# KiCad board Phoenix_Project_No1-TypeS.kicad_pcb (continued)
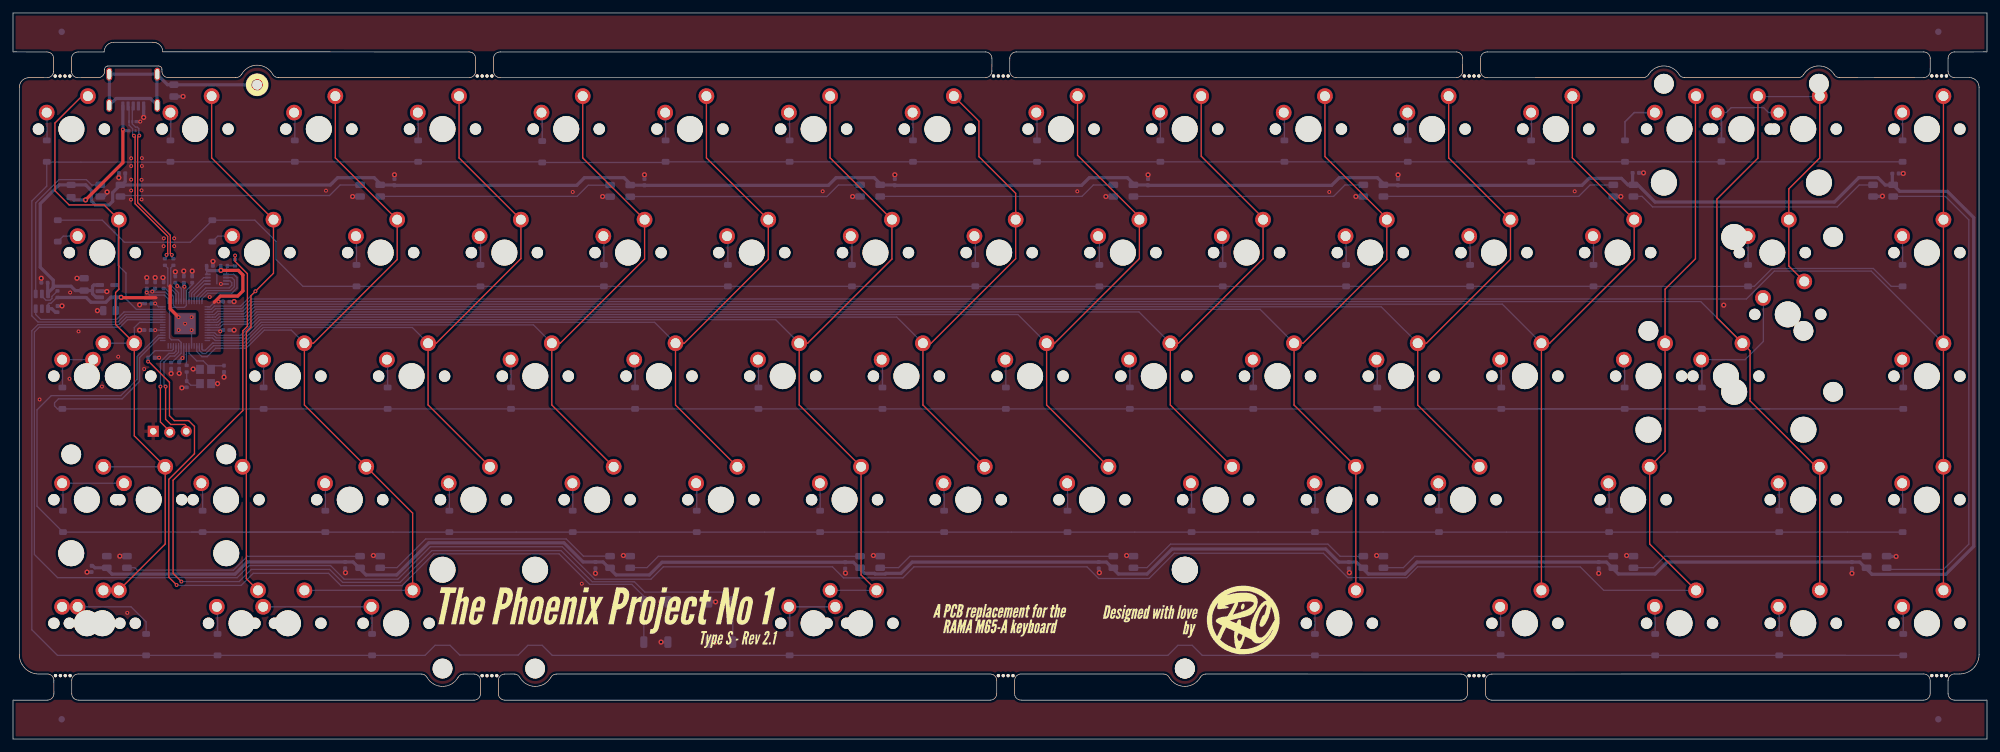
[diagram p0: board, top side]
## Nets
+1V1: C10.1 C11.1 C12.1 U3.23 U3.45 U3.50
+3V3: C1.1 C2.1 C3.1 C4.1 C5.1 C6.1 C8.1 C9.1 C13.1 C14.1 C17.1 C19.1 R4.2 R5.2 R7.1 U1.5 U3.1 U3.10 U3.22 U3.33 U3.42 U3.43 U3.44 U3.48 U3.49 U4.8 U5.1
+5V: C7.1 C18.1 C20.2 C21.2 C22.2 C23.2 C24.2 C25.2 C26.2 C27.2 C28.2 C29.2 C30.2 C31.2 C32.2 C33.2 C34.2 C35.2 D1.1 D2.1 D3.1 D4.1 D5.1 D6.1 D7.1 D8.1 D9.1 D10.1 D11.1 D12.1 D13.1 D14.1 D15.1 D16.1 F1.2 U1.1 U1.3 U5.6
/VBUS: F1.1 J1.1 U2.5
GND: C1.2 C2.2 C3.2 C4.2 C5.2 C6.2 C7.2 C8.2 C9.2 C10.2 C11.2 C12.2 C13.2 C14.2 C15.1 C16.1 C17.2 C18.2 C19.2 C20.1 C21.1 C22.1 C23.1 C24.1 C25.1 C26.1 C27.1 C28.1 C29.1 C30.1 C31.1 C32.1 C33.1 C34.1 C35.1 D1.3 D2.3 D3.3 D4.3 D5.3 D6.3 D7.3 D8.3 D9.3 D10.3 D11.3 D12.3 D13.3 D14.3 D15.3 D16.3 FB1.1 J1.5 J2.1 SW1.2 SW2.2 U1.2 U2.3 U3.19 U3.57 U4.4 Y1.2 Y1.4
GNDPWR: FB1.2 J1.6 J3.1
/D+: J1.3 R3.1 U2.2
/D-: J1.2 R2.1 U2.1
/QSPI_SD0: U3.53 U4.5
/QSPI_SD1: U3.55 U4.2
/QSPI_SD2: U3.54 U4.3
/QSPI_SD3: U3.51 U4.7
/QSPI_SS: R5.1 R6.2 U3.56 U4.1
/RUN: R4.1 SW2.1 U3.26
/SWCLK: J2.3 U3.24
/SWIO: J2.2 U3.25
/USB_BOOT: R6.1 SW1.1
/XIN: C15.2 U3.20 Y1.1
/XOUT: R1.2 U3.21
/~{QSPI_SCLK}: U3.52 U4.6
COL0: SW3.2 SW4.2 SW5.2 SW6.2 SW7.2 SW8.2 SW9.2 SW79.2 U3.36
COL1: SW10.2 SW11.2 SW12.2 SW78.2 U3.2
COL2: SW13.2 SW14.2 SW15.2 SW16.2 SW17.2 SW18.2 U3.17
COL3: SW19.2 SW20.2 SW21.2 SW22.2 U3.16
COL4: SW23.2 SW24.2 SW25.2 SW26.2 U3.15
COL5: SW27.2 SW28.2 SW29.2 SW30.2 U3.13
COL6: SW31.2 SW32.2 SW33.2 SW34.2 SW35.2 SW36.2 U3.12
COL7: SW37.2 SW38.2 SW39.2 SW40.2 U3.11
COL8: SW41.2 SW42.2 SW43.2 SW44.2 U3.9
COL9: SW45.2 SW46.2 SW47.2 SW48.2 U3.8
COL10: SW49.2 SW50.2 SW51.2 SW52.2 SW53.2 U3.7
COL11: SW54.2 SW55.2 SW56.2 SW57.2 U3.6
COL12: SW58.2 SW59.2 SW60.2 SW62.2 U3.5
COL13: SW61.2 SW63.2 SW64.2 SW77.2 U3.37
COL14: SW65.2 SW66.2 SW67.2 SW68.2 SW69.2 SW70.2 SW76.2 U3.4
COL15: SW71.2 SW72.2 SW73.2 SW74.2 SW75.2 U3.3
RGB_IN: U3.40 U5.3
RGB_OUT: D1.4 U5.4
ROW0: D17.1 D22.1 D25.1 D30.1 D34.1 D38.1 D42.1 D47.1 D51.1 D55.1 D59.1 D64.1 D68.1 D73.1 D75.1 D80.1 U3.39
ROW1: D18.1 D23.1 D26.1 D31.1 D35.1 D39.1 D43.1 D48.1 D52.1 D56.1 D60.1 D65.1 D69.1 D76.1 D81.1 U3.41
ROW2: D19.1 D27.1 D32.1 D36.1 D40.1 D44.1 D49.1 D53.1 D57.1 D61.1 D66.1 D70.1 D77.1 D82.1 D85.1 U3.30
ROW3: D20.1 D28.1 D33.1 D37.1 D41.1 D45.1 D50.1 D54.1 D58.1 D62.1 D67.1 D71.1 D78.1 D83.1 D86.1 U3.31
ROW4: D21.1 D24.1 D29.1 D46.1 D63.1 D72.1 D74.1 D79.1 D84.1 U3.38
Net-(C16-Pad2): C16.2 R1.1 Y1.3
Net-(D1-Pad2): D1.2 D2.4
Net-(D2-Pad2): D2.2 D3.4
Net-(D3-Pad2): D3.2 D4.4
Net-(D4-Pad2): D4.2 D5.4
Net-(D5-Pad2): D5.2 D6.4
Net-(D6-Pad2): D6.2 D7.4
Net-(D7-Pad2): D7.2 D8.4
Net-(D8-Pad2): D8.2 D9.4
Net-(D10-Pad2): D10.2 D11.4
Net-(D10-Pad4): D9.2 D10.4
Net-(D11-Pad2): D11.2 D12.4
Net-(D12-Pad2): D12.2 D13.4
Net-(D13-Pad2): D13.2 D14.4
Net-(D14-Pad2): D14.2 D15.4
Net-(D15-Pad2): D15.2 D16.4
Net-(D17-Pad2): D17.2 SW3.1
Net-(D18-Pad2): D18.2 SW4.1
Net-(D19-Pad2): D19.2 SW5.1 SW8.1
Net-(D20-Pad2): D20.2 SW6.1 SW79.1
Net-(D21-Pad2): D21.2 SW7.1 SW9.1
Net-(D22-Pad2): D22.2 SW10.1
Net-(D23-Pad2): D23.2 SW11.1
Net-(D24-Pad2): D24.2 SW12.1
Net-(D25-Pad2): D25.2 SW13.1
Net-(D26-Pad2): D26.2 SW14.1
Net-(D27-Pad2): D27.2 SW15.1
Net-(D28-Pad2): D28.2 SW16.1
Net-(D29-Pad2): D29.2 SW17.1 SW18.1
Net-(D30-Pad2): D30.2 SW19.1
Net-(D31-Pad2): D31.2 SW20.1
Net-(D32-Pad2): D32.2 SW21.1
Net-(D33-Pad2): D33.2 SW22.1
Net-(D34-Pad2): D34.2 SW23.1
Net-(D35-Pad2): D35.2 SW24.1
Net-(D36-Pad2): D36.2 SW25.1
Net-(D37-Pad2): D37.2 SW26.1
Net-(D38-Pad2): D38.2 SW27.1
Net-(D39-Pad2): D39.2 SW28.1
Net-(D40-Pad2): D40.2 SW29.1
Net-(D41-Pad2): D41.2 SW30.1
Net-(D42-Pad2): D42.2 SW31.1
Net-(D43-Pad2): D43.2 SW32.1
Net-(D44-Pad2): D44.2 SW33.1
Net-(D45-Pad2): D45.2 SW34.1
Net-(D46-Pad2): D46.2 SW35.1 SW36.1
Net-(D47-Pad2): D47.2 SW37.1
Net-(D48-Pad2): D48.2 SW38.1
Net-(D49-Pad2): D49.2 SW39.1
Net-(D50-Pad2): D50.2 SW40.1
Net-(D51-Pad2): D51.2 SW41.1
Net-(D52-Pad2): D52.2 SW42.1
Net-(D53-Pad2): D53.2 SW43.1
Net-(D54-Pad2): D54.2 SW44.1
Net-(D55-Pad2): D55.2 SW45.1
Net-(D56-Pad2): D56.2 SW46.1
Net-(D57-Pad2): D57.2 SW47.1
Net-(D58-Pad2): D58.2 SW48.1
Net-(D59-Pad2): D59.2 SW49.1
Net-(D60-Pad2): D60.2 SW50.1
Net-(D61-Pad2): D61.2 SW51.1
Net-(D62-Pad2): D62.2 SW52.1
Net-(D63-Pad2): D63.2 SW53.1
Net-(D64-Pad2): D64.2 SW54.1
Net-(D65-Pad2): D65.2 SW55.1
Net-(D66-Pad2): D66.2 SW56.1
Net-(D67-Pad2): D67.2 SW57.1
Net-(D68-Pad2): D68.2 SW58.1
Net-(D69-Pad2): D69.2 SW59.1
Net-(D70-Pad2): D70.2 SW60.1
Net-(D71-Pad2): D71.2 SW61.1
Net-(D72-Pad2): D72.2 SW62.1
Net-(D73-Pad2): D73.2 SW63.1
Net-(D74-Pad2): D74.2 SW64.1
Net-(D75-Pad2): D75.2 SW65.1 SW70.1
Net-(D76-Pad2): D76.2 SW66.1
Net-(D77-Pad2): D77.2 SW67.1 SW76.1
Net-(D78-Pad2): D78.2 SW68.1
Net-(D79-Pad2): D79.2 SW69.1
Net-(D80-Pad2): D80.2 SW71.1
Net-(D81-Pad2): D81.2 SW72.1
Net-(D82-Pad2): D82.2 SW73.1
Net-(D83-Pad2): D83.2 SW74.1
Net-(D84-Pad2): D84.2 SW75.1
Net-(D85-Pad2): D85.2 SW77.1
Net-(D86-Pad2): D86.2 SW78.1
Net-(R2-Pad2): R2.2 U3.46
Net-(R3-Pad2): R3.2 U3.47
Net-(R7-Pad2): R7.2 U5.5

Pads without a net: D16 2; J1 4; U1 4; U2 4; U3 14 18 27 28 29 32 34 35; U4 9; U5 2

## Via types
v1: diameter 0.6, hole 0.3, Top to Bottom, 59 vias
v2: diameter 0.8, hole 0.4, Top to Bottom, 64 vias

## Routing (per net, layer and track width the routed paths; a pad name or vN(x,y) marks a point on that pad's centre or on a via; arc(x,y) is an arc through that point)
+1V1: length 21.1
  Bottom w0.2: 25,66.55 26.4,66.55 26.7,66.85 U3.50 26.7,69.15 27.6,70.05 C12.1 ; 25,66.55 24.4,66.55 24.1,66.25 24.1,61.85 24.4,61.55 25.49,61.55 25.9,61.14 U3.23 25.9,59.48 24.48,58.06 C11.1 ; 25,66.55 24.7,66.85 U3.45 24.7,68.25 23.48,69.47 C10.1 ; C11.1 24.51,58.06 ; C11.1 24.43,58.06
+3V3: length 66.6
  Top w0.5: 31,67.35 31.95,68.3 34.6,68.3 35.4,69.1 35.4,71.55 34.69,72.26 v2(32.02,72.26) ; v2(16.65,68.1) 16.7,68.05 22,68.05
  Bottom w0.2: v1(21.45,69) 21.56,68.89 23.46,68.89 24.3,68.05 U3.44 ; U5.1 5.4,67.04 5.55,67.19 5.85,67.19 6.74,68.08 R7.1 ; v1(25.3,69.85) 25,70.15 C13.1 25.92,69.45 25.92,67.51 U3.48 ; v1(21.9,63.05) U3.33 ; U3.42 22.4,66.65 v1(21.9,67.15) ; U3.49 26.3,69.65 v1(26.4,69.75) ; U4.8 29.82,71.83 29.82,72.43 ; v1(31.65,67.45) 31.14,67.45 30.34,66.65 U3.1 ; U3.10 31.73,63.05 v1(31.92,62.86) ; v1(26.1,58.75) 26.3,58.95 U3.22 ; v1(20.6,68.85) 21,68.45 23.3,68.45 23.9,67.85 U3.43
  Bottom w0.5: U1.5 v2(16.65,68.1) ; U1.5 15.05,68.1 14.3,67.35 12,67.35 11.27,68.08 R7.1 ; U1.5 15.8,67.94 C8.1 ; R5.2 31.99,72.29 v2(32.02,72.26) 31.97,72.22 30.03,72.22 29.82,72.43 C17.1 ; C4.1 v1(31.65,67.45) ; 25.6,58.15 C3.1 25.6,58.25 v1(26.1,58.75) ; C6.1 26.3,69.85 v1(26.4,69.75) ; C2.1 v1(21.9,67.15) ; R4.2 v1(22.5,58.8) ; C14.1 v1(20.6,68.85) ; U5.1 5.99,66.35 6.53,65.81 C19.1 ; C5.1 32.2,63.05 32.03,62.88 31.94,62.88 v1(31.92,62.86) ; C1.1 v1(21.9,63.05) ; C9.1 21.9,69.45 v1(21.45,69)
+5V: length 704.5
  Bottom w0.5: 12.25,69.1 12.2,69.15 C7.1 9.6,69.15 8.93,69.82 6.37,69.82 6.2,69.65 ; 12.25,69.1 12.25,69.8 12.45,70 U1.3 ; 12.25,69.1 12.25,68.65 12.8,68.1 U1.1 ; C35.2 12.28,26.71 12.59,26.4 ; 89.8,27.3 90.88,27.3 92.88,25.3 98,25.3 99.96,27.26 129.42,27.26 131.12,25.55 132.66,25.55 132.76,25.45 134.34,25.45 134.44,25.55 136.75,25.55 138.48,27.28 168.4,27.28 170.22,25.45 174.65,25.45 178.5,29.3 202.15,29.3 204.17,27.28 206.9,27.28 208.72,25.45 214.4,25.45 216.23,27.28 245.4,27.28 247.22,25.45 252.9,25.45 254.73,27.28 284.39,27.28 286.27,25.4 297.65,25.4 301.95,29.7 301.95,80.4 297.9,84.45 290.55,84.45 D8.1 ; C33.2 87.8,27.3 84.85,30.25 64.04,30.25 59.09,25.3 54.38,25.3 52.38,27.3 36.07,27.3 34.2,25.43 15.25,25.43 14.25,26.42 ; C18.1 5.35,70.33 5.35,68.67 U5.6 5.4,68.79 6.2,69.59 6.2,69.65 ; D7.1 248.7,85.45 247.7,86.45 242.7,86.45 241.62,85.37 C25.2 213.25,85.42 211.25,85.42 210.12,86.55 204.25,86.55 203.07,85.37 C24.2 174.75,85.42 172.75,85.42 171.62,86.55 165.75,86.55 164.57,85.37 C23.2 135.75,85.42 133.75,85.42 132.62,86.55 126.75,86.55 125.57,85.37 C22.2 97.22,85.39 95.25,85.39 94.09,86.55 88,86.55 86.82,85.37 C21.2 58.7,85.42 56.75,85.42 55.62,86.55 50,86.55 48.88,85.42 16.75,85.42 17.28,85.95 17.28,87.2 ; C27.2 289.42,85.75 289.75,85.42 288.32,85.42 287.2,86.55 284.25,86.55 280.5,82.8 252.88,82.8 250.25,85.42 249.75,85.42 249.42,85.75 C26.2 ; D1.1 15.35,84.25 15.35,82.9 14.8,82.35 12.7,82.35 12.07,82.98 12.07,84.55 11.19,85.44 F1.2 7.09,85.44 4.2,82.55 4.2,72.75 6.2,70.75 6.2,69.65 ; 12.64,26.4 14.22,26.4
/VBUS: length 20.3
  Top w0.5: v1(16.92,93.98) 16.92,88.87 v2(11.18,83.12)
  Bottom w0.5: v2(11.18,83.12) 9.39,83.12 F1.1 ; U2.5 17.1,93.8 v1(16.92,93.98) J1.1
GND: length 71.2
  Top w0.5: v1(25.5,65.05) 24.2,66.35 24.2,69.85
  Bottom w0.2: U3.19 v1(27.5,63.05) ; U4.4 32.15,70.15 32.05,70.25
  Bottom w0.5: 169.25,83.67 169.22,83.65 v2(168.3,83.65) ; 172.75,28.17 171.62,28.17 v2(171.5,28.3) ; C21.1 v2(58.75,87) ; 17.75,28.17 16.48,28.17 v2(16.45,28.2) ; v2(14.45,69) 14.4,69.05 U1.2 ; C34.1 51.16,25.69 v2(51.2,25.65) ; SW2.2 v2(99.8,21.15) ; C7.2 v2(9.85,71.05) ; C25.1 v2(213.3,87) ; C5.2 v2(34.05,63.05) ; C12.2 v2(27.6,72.15) ; C15.1 v2(32.5,55.8) ; C16.1 26.07,54.22 v2(26,54.15) ; v1(26.5,64.05) v1(25.5,63.05) ; v1(26.5,64.05) v1(27.5,65.05) ; v1(26.5,64.05) v1(25.5,65.05) ; v1(26.5,64.05) v1(27.5,63.05) ; v2(26.19,99.08) 26.18,99.07 FB1.1 ; 95.25,28.17 94.12,28.17 v2(94,28.3) ; C33.1 v2(89.7,25.55) ; 288.75,28.17 288.77,28.15 v2(290,28.15) ; 133.75,28.17 132.62,28.17 v2(132.5,28.3) ; v2(4.35,71.05) 4.37,71.03 C18.2 ; v2(34.05,67.45) C4.2 ; 249.75,28.17 248.62,28.17 v2(248.5,28.3) ; v2(167.3,25.65) 167.21,25.74 C31.1 ; v2(23.1,71.15) 23.2,71.05 C10.2 ; 286.25,83.67 287.88,83.67 v2(287.9,83.7) ; C14.2 v2(20.6,71.15) ; 211.25,28.17 210.12,28.17 v2(210,28.3) ; C28.1 v2(283.2,25.55) ; 246.25,83.67 247.57,83.67 v2(247.6,83.65) ; C30.1 205.72,25.74 v2(205.8,25.66) ; v2(20.12,95.85) 20.12,95.86 J1.5 ; v2(52.3,83.65) 53.23,83.65 53.25,83.67 ; v2(55.5,28.3) 55.62,28.17 56.75,28.17 ; D1.3 13.95,83.65 14.5,84.2 v2(14.5,84.35) ; C24.1 v2(174.8,87) ; C32.1 128.16,25.64 v2(128.2,25.59) ; C17.2 30.78,73.63 v2(30.8,73.65) ; v2(27.75,57.05) 27.8,57 Y1.4 ; v2(7.55,66.79) 7.53,66.77 C19.2 ; 91.75,83.64 91.75,83.65 v2(90.8,83.65) ; 24.35,57.07 v2(24.35,56.35) ; C20.1 16.3,87.23 v2(16.3,86.55) ; SW2.2 v2(99.8,14.95) ; v2(129.3,83.65) 130.22,83.65 130.25,83.67 ; SW1.2 v2(108.2,21.15) ; C27.1 v2(291.1,87.2) ; Y1.2 v2(31.5,54.8) ; C29.1 v2(244.2,25.55) ; C35.1 12.08,25.73 v2(11.4,25.73) ; C22.1 v2(97.25,87) ; 19,95.2 v1(19.6,95.2) ; C6.2 v2(26.3,72.15) ; v2(206.8,83.65) 207.72,83.65 207.75,83.67 ; C9.2 v2(21.9,71.15) ; C8.2 v2(13,66.05) ; v2(19.5,66.95) 19.7,67.15 C2.2 ; C3.2 v2(25.6,56.38) ; SW1.2 v2(108.2,14.95) ; C1.2 v2(19.5,63.05) ; C26.1 v2(251.1,87.3) ; C23.1 v2(135.8,87) ; C13.2 v2(25,72.05)
  vias: v1(4.1,52.35) v1(8.7,55.55) v1(8.8,68.85) v1(10.1,62.85) v1(13.7,54.35) v1(16.2,58.95) v1(17.6,19.45) v1(18.2,89.55) v1(18.2,88.35) v1(18.2,86.25) v1(18.2,84.57) v1(18.18,83.17) v1(19.85,89.58) v1(19.85,88.35) v1(19.8,86.22) v1(19.8,84.6) v1(19.8,83.2) v1(20.2,57.05) v1(23.23,77.2) v1(23.2,76) v1(24.82,77.2) v1(24.82,76) v1(30.3,68.15) v1(32.02,70.17) v1(48.2,84.55) v1(86.2,84.35) v1(87.6,23.95) v1(124.7,84.45) v1(163.9,84.45) v1(202.7,84.35) v1(240.5,84.45) v2(263.45,66.9)
GNDPWR: length 41.3
  Bottom w0.5: J1.6 21.17,98.76 15.87,98.76 J1.6 ; J3.1 24.8,100.88 FB1.2 23.79,100.89 22.17,102.51 ; 22.17,102.51 22.15,102.49 22.15,97.73 22.17,97.71 ; 22.17,102.51 14.87,102.51 14.85,102.49 14.85,97.73
/D+: length 27
  Top w0.2: v1(19.45,93.05) 19.2,92.8 19.2,82.7 24.23,77.67 24.23,74.87 v1(24.45,74.65)
  Bottom w0.2: v1(19.45,93.05) 19.38,93.13 19.38,94.12 19.15,94.35 18.86,94.35 18.38,94.84 U2.2 18.38,97.47 J1.3 18.52,97.21 ; R3.1 24.45,74.31 v1(24.45,74.65)
/D-: length 26.7
  Top w0.2: v1(18.62,93.02) 18.8,92.85 18.8,82.52 23.83,77.5 23.83,74.83 v1(23.65,74.65)
  Bottom w0.2: v1(18.62,93.02) 18.43,93.22 18.43,94.1 17.88,94.65 U2.1 17.88,97.45 J1.2 17.72,97.21 ; v1(23.65,74.65) 23.65,74.31 R2.1
/QSPI_SD0: length 3.8
  Bottom w0.2: U4.5 29.5,70.15 27.9,68.55 U3.53
/QSPI_SD1: length 9.1
  Bottom w0.2: U3.55 28.7,68.02 29.83,69.15 33.5,69.15 34.1,69.75 34.1,70.75 33.7,71.15 U4.2
/QSPI_SD2: length 8.3
  Bottom w0.2: U4.3 33.4,70.65 33.7,70.35 33.7,69.95 33.3,69.55 29.67,69.55 28.3,68.18 U3.54
/QSPI_SD3: length 5.2
  Bottom w0.2: U4.7 29.37,71.15 27.1,68.88 U3.51
/QSPI_SS: length 12.6
  Bottom w0.2: U3.56 29.1,67.85 30,68.75 33.7,68.75 34.5,69.55 34.5,71.15 34,71.65 U4.1 32.9,71.75 32.9,72.84 R5.1 34.19,72.95 R6.2
/RUN: length 131.8
  Top w0.2: v1(25.2,23.75) 24,24.95 24,40.05 27.95,44 27.95,48.2 27.05,49.1 24.85,49.1 24.1,49.85 24.1,55 20.9,58.2 v1(20.8,58.2)
  Bottom w0.2: v1(20.8,58.2) 20.79,58.21 R4.1 21.87,59.88 24.49,59.88 24.7,60.08 U3.26 ; v1(25.2,23.75) 25.27,23.68 35.13,23.68 37,25.55 48.6,25.55 50.5,23.65 59.9,23.65 64.81,28.56 84.09,28.56 88.8,23.85 95.3,23.85 97.15,22 SW2.1 SW2.1
/SWCLK: length 17.2
  Top w0.2: v1(23.5,54.35) 23.5,49.3 24.3,48.5 26.45,48.5 26.68,48.27 J2.3
  Bottom w0.2: v1(23.5,54.35) 23.25,54.6 23.25,58.1 24.2,59.05 24.9,59.05 25.5,59.65 U3.24
/SWIO: length 15.2
  Top w0.2: 24.14,47.45 22.7,48.89 v1(22.7,54.35)
  Bottom w0.2: U3.25 25.1,59.81 24.77,59.48 24.03,59.48 22.7,58.15 v1(22.7,54.35)
/USB_BOOT: length 154.9
  Top w0.2: v1(34.2,74.55) 34.2,73.65 36.1,71.75 36.1,63.65 35.4,62.95 35.4,50.65 24.66,39.91 24.66,25.55 v1(25.93,24.28)
  Bottom w0.2: v1(25.93,24.28) 34.83,24.28 36.7,26.15 48.77,26.15 50.77,24.15 59.6,24.15 64.5,29.05 84.4,29.05 89.2,24.25 95.7,24.25 97.3,22.65 109.35,22.65 SW1.1 SW1.1
  Bottom w0.25: R6.1 v1(34.2,74.55)
/XIN: length 7.8
  Bottom w0.2: U3.20 27.1,59.5 28.3,58.3 29.3,58.3 30.5,57.1 Y1.1 31.05,57.55 32.47,57.55 C15.2
/XOUT: length 3
  Bottom w0.2: U3.21 26.7,59.3 26.7,59.3 26.7,57.66 R1.2
/~{QSPI_SCLK}: length 4.5
  Bottom w0.2: U3.52 27.5,68.71 29.44,70.65 U4.6
COL0: length 116.2
  Top w0.2: SW3.2 10.62,99.13 6.46,94.97 6.46,84.54 8.65,82.35 14.03,82.35 SW4.2 16.3,69.35 15.8,68.85 15.8,63.91 SW8.2 18.68,46.74 SW6.2 23.45,30.07 SW7.2
  Bottom w0.2: SW7.2 SW9.2 ; U3.36 19.5,64.25 18.68,63.43 SW8.2 SW5.2 ; SW79.2 SW6.2
COL1: length 91.2
  Top w0.2: SW12.2 35.93,24.73 35.93,62.78 36.65,63.5 36.65,68.35 v1(37.34,69.04) 40.11,71.81 SW11.2 30.59,89.6 SW10.2
  Bottom w0.2: U3.2 30.52,66.25 31.02,66.75 35.05,66.75 v1(37.34,69.04)
COL2: length 130.8
  Top w0.2: SW13.2 49.64,89.6 SW14.2 59.16,73.92 46.27,61.03 SW15.2 44.88,51.5 SW16.2 61.55,34.84 SW18.2
  Bottom w0.2: SW18.2 SW17.2 ; U3.17 28.3,59.75 29.1,58.95 29.9,58.95 31.2,60.25 35.9,60.25 38.7,63.05 42.86,63.05 SW15.2
COL3: length 110.5
  Top w0.2: SW19.2 68.69,89.6 SW20.2 78.22,74.06 65.18,61.03 SW21.2 63.93,51.5 SW22.2
  Bottom w0.2: U3.16 28.7,59.91 29.16,59.45 29.7,59.45 30.9,60.65 35.73,60.65 38.54,63.46 61.5,63.46 SW21.2
COL4: length 129
  Top w0.2: SW23.2 87.74,89.61 97.27,80.08 SW24.2 97.27,74.02 84.28,61.03 SW25.2 82.98,51.5 SW26.2
  Bottom w0.2: U3.15 29.1,60.1 29.25,59.95 29.64,59.95 30.73,61.05 30.8,61.05 35.56,61.05 38.37,63.85 80.15,63.85 SW25.2
COL5: length 146.5
  Top w0.2: SW30.2 102.03,51.5 SW29.2 103.38,61.03 116.31,73.97 SW28.2 106.79,89.6 SW27.2
  Bottom w0.2: U3.13 30.72,61.85 31.12,61.45 35.18,61.45 35.4,61.45 38.2,64.25 98.8,64.25 SW29.2
COL6: length 192.9
  Top w0.2: SW31.2 125.84,89.6 135.37,80.08 135.37,74.02 122.38,61.03 SW33.2 121.08,51.5 SW34.2 130.6,25.31 SW36.2
  Bottom w0.2: SW36.2 SW35.2 ; U3.12 30.89,62.25 31.29,61.85 34.96,61.85 35.24,61.85 38.04,64.65 117.45,64.65 SW33.2
COL7: length 184.9
  Top w0.2: SW40.2 140.13,51.5 SW39.2 141.38,61.03 154.41,74.06 SW38.2 154.41,84.13 148.76,89.79 148.76,95.26 SW37.2
  Bottom w0.2: U3.11 31.05,62.65 31.45,62.25 35.07,62.25 37.87,65.05 136.1,65.05 SW39.2
COL8: length 203.6
  Top w0.2: SW44.2 159.18,51.5 SW43.2 160.42,61.03 173.47,74.08 SW42.2 173.47,80.48 163.94,90.01 SW41.2
  Bottom w0.2: SW43.2 154.75,65.45 37.71,65.45 36.21,63.95 35.93,63.95 35.93,63.95 32.32,63.95 31.83,63.45 31.48,63.45 31.47,63.45 U3.9
COL9: length 222.8
  Top w0.2: SW45.2 182.99,89.86 192.51,80.33 SW46.2 192.51,74.06 179.48,61.03 SW47.2 178.23,51.5 SW48.2
  Bottom w0.2: U3.8 31.31,63.85 31.31,63.85 31.66,63.85 32.16,64.35 35.76,64.35 35.76,64.35 36.04,64.35 37.54,65.85 173.41,65.85 SW47.2
COL10: length 261.2
  Top w0.2: SW49.2 202.04,89.81 211.56,80.28 SW50.2 211.56,73.91 198.68,61.03 SW51.2 197.28,51.5 SW52.2 SW53.2
  Bottom w0.2: U3.7 31.07,64.25 31.07,64.25 31.5,64.25 31.99,64.75 35.6,64.75 35.6,64.75 35.88,64.75 37.38,66.25 192.06,66.25 SW51.2
COL11: length 261.3
  Top w0.2: SW54.2 221.09,89.6 230.62,80.08 230.62,73.97 217.68,61.03 SW56.2 216.33,51.5 SW57.2
  Bottom w0.2: SW56.2 210.71,66.65 37.21,66.65 35.71,65.15 35.43,65.15 35.43,65.15 31.83,65.15 31.33,64.65 30.91,64.65 U3.6
COL12: length 295.6
  Top w0.2: SW58.2 240.14,89.6 SW59.2 249.66,74.05 236.65,61.03 SW60.2 SW62.2
  Bottom w0.2: U3.5 30.74,65.05 31.16,65.05 31.66,65.55 35.27,65.55 35.27,65.55 35.55,65.55 37.05,67.05 229.36,67.05 SW60.2
COL13: length 408.4
  Top w0.2: SW64.2 252.05,30.07 SW61.2 254.43,44.36 SW77.2 254.43,69.38 259.1,74.05 259.1,99.04 SW63.2
  Bottom w0.2: U3.37 17.63,64.65 16.48,63.5 4.05,63.5 3.3,62.75 3.3,28.45 6.87,24.88 34.53,24.88 36.4,26.75 48.9,26.75 51,24.65 59.27,24.65 64.27,29.65 84.6,29.65 89.6,24.65 98.25,24.65 100.15,26.55 126.2,26.55 127.9,24.85 137.05,24.85 138.75,26.55 165.4,26.55 167.2,24.75 174.95,24.75 178.85,28.65 201.8,28.65 205.57,24.88 214.63,24.88 216.3,26.55 241.35,26.55 244.97,22.93 SW64.2
COL14: length 366.6
  Top w0.2: 278.24,99.06 278.24,89.59 273.48,84.83 SW66.2 273.48,72.94 275.86,70.55 ; SW69.2 SW68.2 277.67,41.98 267.5,52.15 267.5,52.51 267.51,52.52 267.51,59.85 SW67.2 262.4,64.96 262.4,83.25 268.71,89.56 268.71,99.13
  Bottom w0.2: U3.4 31,65.45 31.5,65.95 35.1,65.95 35.1,65.95 35.38,65.95 36.88,67.45 259.91,67.45 SW67.2 ; 278.24,99.06 268.79,99.06 268.71,99.13
COL15: length 350.8
  Top w0.2: SW75.2 SW74.2 SW73.2 SW72.2 SW71.2
  Bottom w0.2: U3.3 30.69,65.85 31.19,66.35 34.94,66.35 35.22,66.35 36.71,67.85 266.95,67.85 271.25,72.15 286.17,72.15 SW73.2
RGB_IN: length 21.3
  Bottom w0.2: U3.40 17.1,65.85 15.95,64.7 4.25,64.7 3.5,65.45 U5.3
RGB_OUT: length 25.6
  Bottom w0.2: U5.4 3.5,82.68 7.07,86.25 11.3,86.25 12.12,85.42 13.25,85.42
ROW0: length 331.7
  Bottom w0.2: U3.39 17.3,65.45 16.15,64.3 3.85,64.3 2.9,65.25 2.9,82.95 5.2,85.25 D17.1 5.25,88.95 24.2,88.95 D22.1 D25.1 D30.1 81.4,89 D34.1 100.4,88.9 D38.1 D42.1 D47.1 D51.1 D55.1 D59.1 D64.1 D68.1 D80.1
ROW1: length 312.4
  Bottom w0.2: 15.6,78.15 13.75,80 D18.1 ; 15.6,78.15 16.21,77.54 16.21,73.04 17.4,71.85 17.4,67.85 19,66.25 U3.41 ; 15.6,78.15 17.15,76.6 27.3,76.6 D23.1 37.25,80 40.5,76.75 40.5,73.95 44.65,69.8 D76.1 268.15,69.8 270.9,72.55 286.5,72.55 289.25,69.8 D81.1
ROW2: length 349.6
  Bottom w0.2: 270.5,50.9 6.85,50.9 6.4,51.35 6.4,51.85 7,52.45 16.8,52.45 19.5,55.15 19.5,58.82 22.53,61.85 U3.30 ; D82.1 D77.1 D85.1 D70.1
ROW3: length 350.6
  Bottom w0.2: U3.31 22.37,62.25 19.1,58.99 19.1,55.44 16.61,52.95 5.9,52.95 3.7,50.75 3.7,35.9 D20.1 D86.1 D28.1 ; 27.5,31.9 D83.1
ROW4: length 371
  Bottom w0.2: 282.25,12.9 183.15,12.9 181.6,14.45 179.4,14.45 177.85,12.9 83.05,12.9 81.5,14.45 79.3,14.45 77.8,12.95 68.8,12.95 67.3,14.45 65,14.45 63.45,12.9 D21.1 6.85,12.9 2.9,16.85 2.9,62.95 3.85,63.9 16.31,63.9 17.46,65.05 U3.38 ; D84.1 D79.1
Net-(C16-Pad2): length 3.8
  Bottom w0.2: R1.1 C16.2 27.38,54.55 28.55,54.55 Y1.3
Net-(D1-Pad2): length 37.2
  Bottom w0.2: 53.25,85.42 50.38,85.42 48.75,83.8 16.88,83.8 16.75,83.67
Net-(D2-Pad2): length 35.7
  Bottom w0.2: 56.75,83.67 86.88,83.67 88.59,85.39 91.75,85.39
Net-(D3-Pad2): length 35.7
  Bottom w0.2: 95.25,83.64 125.34,83.64 127.12,85.42 130.25,85.42
Net-(D4-Pad2): length 36.2
  Bottom w0.2: 169.25,85.42 166.38,85.42 164.62,83.67 133.75,83.67
Net-(D5-Pad2): length 35.7
  Bottom w0.2: 172.75,83.67 203.38,83.67 205.12,85.42 207.75,85.42
Net-(D6-Pad2): length 35.7
  Bottom w0.2: 246.25,85.42 242.88,85.42 241.12,83.67 211.25,83.67
Net-(D7-Pad2): length 38.6
  Bottom w0.2: 249.75,83.67 250.88,83.67 252.5,82.05 280.94,82.05 284.31,85.42 286.25,85.42
Net-(D8-Pad2): length 77.1
  Bottom w0.2: 288.75,26.42 289.02,26.15 297.3,26.15 301.2,30.05 301.2,80.05 297.57,83.67 289.75,83.67
Net-(D10-Pad2): length 35.7
  Bottom w0.2: 211.25,26.42 214.12,26.42 215.88,28.17 246.25,28.17
Net-(D10-Pad4): length 36.2
  Bottom w0.2: 249.75,26.42 252.62,26.42 254.38,28.17 285.25,28.17
Net-(D11-Pad2): length 37.3
  Bottom w0.2: 172.75,26.42 174.62,26.42 178.25,30.05 202.5,30.05 204.38,28.17 207.75,28.17
Net-(D12-Pad2): length 36.2
  Bottom w0.2: 169.25,28.17 138.12,28.17 136.38,26.42 133.75,26.42
Net-(D13-Pad2): length 35.7
  Bottom w0.2: 95.25,26.42 97.62,26.42 99.38,28.17 130.25,28.17
Net-(D14-Pad2): length 38.1
  Bottom w0.2: D14.2 87.85,28.2 85.2,30.85 63.55,30.85 59.12,26.42 56.75,26.42
Net-(D15-Pad2): length 36.5
  Bottom w0.2: 17.75,26.42 18.75,26.42 19.12,26.05 33.95,26.05 36.08,28.17 53.25,28.17
Net-(D17-Pad2): length 4.3
  Bottom w0.2: SW3.1 5.25,96.53 5.25,92.35 D17.2
Net-(D18-Pad2): length 3.4
  Bottom w0.2: SW4.1 7.74,77.54 D18.2
Net-(D19-Pad2): length 9.1
  Bottom w0.2: SW8.1 SW5.1 7.63,58.43 7.63,54.23 D19.2
Net-(D20-Pad2): length 13.8
  Bottom w0.2: SW6.1 SW79.1 7.7,39.31 D20.2
Net-(D21-Pad2): length 15.8
  Bottom w0.2: D21.2 20.5,18.07 18.18,20.39 SW7.1 SW9.1
Net-(D22-Pad2): length 4.3
  Bottom w0.2: D22.2 24.3,92.35 24.3,96.53 SW10.1
Net-(D23-Pad2): length 3.4
  Bottom w0.2: SW11.1 31.54,77.54 D23.2
Net-(D24-Pad2): length 4.2
  Bottom w0.25: SW12.1 31.5,20.27 D24.2
Net-(D25-Pad2): length 4.3
  Bottom w0.2: D25.2 43.4,96.48 SW13.1
Net-(D26-Pad2): length 4.5
  Bottom w0.2: SW14.1 52.9,77.45 D26.2
Net-(D27-Pad2): length 4.3
  Bottom w0.2: SW15.1 38.6,58.42 D27.2
Net-(D28-Pad2): length 4.3
  Bottom w0.2: SW16.1 48.11,39.38 48.11,35.21 D28.2
Net-(D29-Pad2): length 20.9
  Bottom w0.2: D29.2 55.3,20.29 SW18.1 SW17.1
Net-(D30-Pad2): length 4.3
  Bottom w0.2: D30.2 62.4,96.53 SW19.1
Net-(D31-Pad2): length 4.5
  Bottom w0.2: D31.2 72,77.41 SW20.1
Net-(D32-Pad2): length 4.3
  Bottom w0.2: SW21.1 57.7,58.37 D32.2
Net-(D33-Pad2): length 4.3
  Bottom w0.2: SW22.1 67.2,39.34 D33.2
Net-(D34-Pad2): length 4.4
  Bottom w0.2: D34.2 81.5,96.48 SW23.1
Net-(D35-Pad2): length 4.5
  Bottom w0.2: D35.2 91,77.45 90.92,77.54
Net-(D36-Pad2): length 4.3
  Bottom w0.2: D36.2 76.7,58.42 SW25.1
Net-(D37-Pad2): length 4.3
  Bottom w0.2: SW26.1 86.21,39.38 86.21,35.21 D37.2
Net-(D38-Pad2): length 4.3
  Bottom w0.2: D38.2 100.5,96.53 SW27.1
Net-(D39-Pad2): length 4.5
  Bottom w0.2: D39.2 110.1,77.41 SW28.1
Net-(D40-Pad2): length 4.3
  Bottom w0.2: SW29.1 95.8,58.37 D40.2
Net-(D41-Pad2): length 4.3
  Bottom w0.2: SW30.1 105.3,39.34 D41.2
Net-(D42-Pad2): length 4.3
  Bottom w0.2: SW31.1 119.6,96.48 D42.2
Net-(D43-Pad2): length 4.5
  Bottom w0.2: D43.2 129.2,77.35 SW32.1
Net-(D44-Pad2): length 4.3
  Bottom w0.2: D44.2 114.8,58.42 SW33.1
Net-(D45-Pad2): length 4.3
  Bottom w0.2: D45.2 124.31,35.21 124.31,39.38 SW34.1
Net-(D46-Pad2): length 11.4
  Bottom w0.25: D46.2 119.6,20.28 SW35.1 SW36.1
Net-(D47-Pad2): length 4.3
  Bottom w0.2: D47.2 138.6,96.53 SW37.1
Net-(D48-Pad2): length 4.5
  Bottom w0.2: SW38.1 148.2,77.41 D48.2
Net-(D49-Pad2): length 4.3
  Bottom w0.2: SW39.1 133.9,58.37 D49.2
Net-(D50-Pad2): length 4.3
  Bottom w0.2: SW40.1 143.4,39.34 D50.2
Net-(D51-Pad2): length 4.3
  Bottom w0.2: D51.2 157.7,96.48 SW41.1
Net-(D52-Pad2): length 4.5
  Bottom w0.2: D52.2 167.3,77.35 SW42.1
Net-(D53-Pad2): length 4.3
  Bottom w0.2: D53.2 152.9,58.42 SW43.1
Net-(D54-Pad2): length 4.3
  Bottom w0.2: D54.2 162.41,35.21 162.41,39.38 SW44.1
Net-(D55-Pad2): length 4.3
  Bottom w0.2: D55.2 176.7,96.53 SW45.1
Net-(D56-Pad2): length 4.5
  Bottom w0.2: SW46.1 186.3,77.41 D56.2
Net-(D57-Pad2): length 4.3
  Bottom w0.2: SW47.1 172,58.37 D57.2
Net-(D58-Pad2): length 4.3
  Bottom w0.2: D58.2 181.5,39.34 SW48.1
Net-(D59-Pad2): length 4.3
  Bottom w0.2: D59.2 195.8,96.48 SW49.1
Net-(D60-Pad2): length 4.5
  Bottom w0.2: D60.2 205.3,77.45 SW50.1
Net-(D61-Pad2): length 4.3
  Bottom w0.2: D61.2 191,58.42 SW51.1
Net-(D62-Pad2): length 4.3
  Bottom w0.2: D62.2 200.51,35.21 200.51,39.38 SW52.1
Net-(D63-Pad2): length 4.2
  Bottom w0.2: D63.2 200.51,16.21 200.51,20.33 SW53.1
Net-(D64-Pad2): length 4.3
  Bottom w0.2: D64.2 214.8,96.53 SW54.1
Net-(D65-Pad2): length 4.5
  Bottom w0.2: D65.2 224.4,77.41 SW55.1
Net-(D66-Pad2): length 4.3
  Bottom w0.2: D66.2 210.1,58.37 SW56.1
Net-(D67-Pad2): length 4.3
  Bottom w0.2: D67.2 219.6,39.34 SW57.1
Net-(D68-Pad2): length 4.3
  Bottom w0.2: SW58.1 233.85,96.53 233.85,92.35 D68.2
Net-(D69-Pad2): length 4.5
  Bottom w0.2: SW59.1 243.4,77.45 D69.2
Net-(D70-Pad2): length 4.4
  Bottom w0.2: SW60.1 229.2,58.32 D70.2
Net-(D71-Pad2): length 4.3
  Bottom w0.2: SW61.1 245.8,39.34 D71.2
Net-(D72-Pad2): length 4.2
  Bottom w0.2: D72.2 229.1,20.32 SW62.1
Net-(D73-Pad2): length 8.1
  Bottom w0.25: D73.2 248.25,95.17 249.66,96.59 SW63.1
Net-(D74-Pad2): length 4.2
  Bottom w0.2: D74.2 252.9,20.33 SW64.1
Net-(D75-Pad2): length 14.7
  Bottom w0.2: SW65.1 263.84,96.59 264.6,97.35 269.6,97.35 270.36,96.59 SW70.1
  Bottom w0.25: SW65.1 263.1,95.86 D75.2
Net-(D76-Pad2): length 4.5
  Bottom w0.2: SW66.1 267.2,77.47 D76.2
Net-(D77-Pad2): length 21.8
  Bottom w0.2: D77.2 260.1,58.37 SW67.1 266.74,58.49 269.56,61.31 269.56,67.96 SW76.1
Net-(D78-Pad2): length 4.3
  Bottom w0.2: D78.2 272,39.33 SW68.1
Net-(D79-Pad2): length 4.2
  Bottom w0.2: SW69.1 272,20.28 D79.2
Net-(D80-Pad2): length 4.3
  Bottom w0.2: SW71.1 291,96.53 D80.2
Net-(D81-Pad2): length 4.5
  Bottom w0.2: D81.2 291,77.48 SW72.1
Net-(D82-Pad2): length 4.4
  Bottom w0.2: D82.2 291.1,58.33 SW73.1
Net-(D83-Pad2): length 4.3
  Bottom w0.2: SW74.1 291,39.38 D83.2
Net-(D84-Pad2): length 4.3
  Bottom w0.2: SW75.1 291.1,20.23 D84.2
Net-(D85-Pad2): length 4.3
  Bottom w0.2: SW77.1 248.2,58.37 D85.2
Net-(D86-Pad2): length 4.3
  Bottom w0.2: SW78.1 29.2,39.24 D86.2
Net-(R2-Pad2): length 6.3
  Bottom w0.2: R2.2 23.84,72.6 23.84,69.89 25.1,68.63 U3.46
Net-(R3-Pad2): length 6.2
  Bottom w0.2: U3.47 25.5,68.8 24.29,70.01 24.29,72.63 R3.2
Net-(R7-Pad2): length 3.8
  Bottom w0.2: U5.5 4.45,68.28 5.06,67.66 5.74,67.66 6,67.93 6,68.25 R7.2

## Copper pours and planes (outline as drawn; the poured copper is in the pictures)
+3V3 on Top: 26.75,67.68 32,67.68 32,59.68 26.5,59.68 26.5,58.43 21.5,58.43 21.5,67.68 20.25,67.68 20.25,69.18 23.5,69.18 23.5,67.68 24.9,67.68 24.9,69.78 26.75,69.78
GND on Top: 308,104.05 308,8.05 -2.5,8.05 -3,104.05
GND on Top: 28.2,62.35 24.8,62.35 24.8,65.75 28.2,65.75
GND on Bottom: 306,8.05 -0.5,8.05 -1.4,104.05 306,104.05
(no net) on Top, Bottom: 306,106.05 -2,106.05 -2,117.05 306,117.05
(no net) on Top, Bottom: 305,-4.95 -2,-4.95 -2,6.05 305,6.05

## Text on the board
B.Silkscreen: GND | SWIO | SWCLK | Stepped / CapsLock | 1.25u / LCtrl | Standard / CapsLock | ISO / LShift | 1.5u / LCtrl | ANSI / LShift | ANSI LShift Stabs | 1.25u / LWin | 1.5u / LAlt | 1.25u / LAlt | BOOTSEL | RESET | 7u Space Stabs | 7u / Space | 6.25u / Space | 6.25u Space Stabs | ANSI / Enter | BackSpace | ANSI Enter Stabs | BackSpace Stabs | ISO / Enter | Split / BackSpace | ISO Enter Stabs
